# KiCad board 8x8.kicad_pcb (continued)
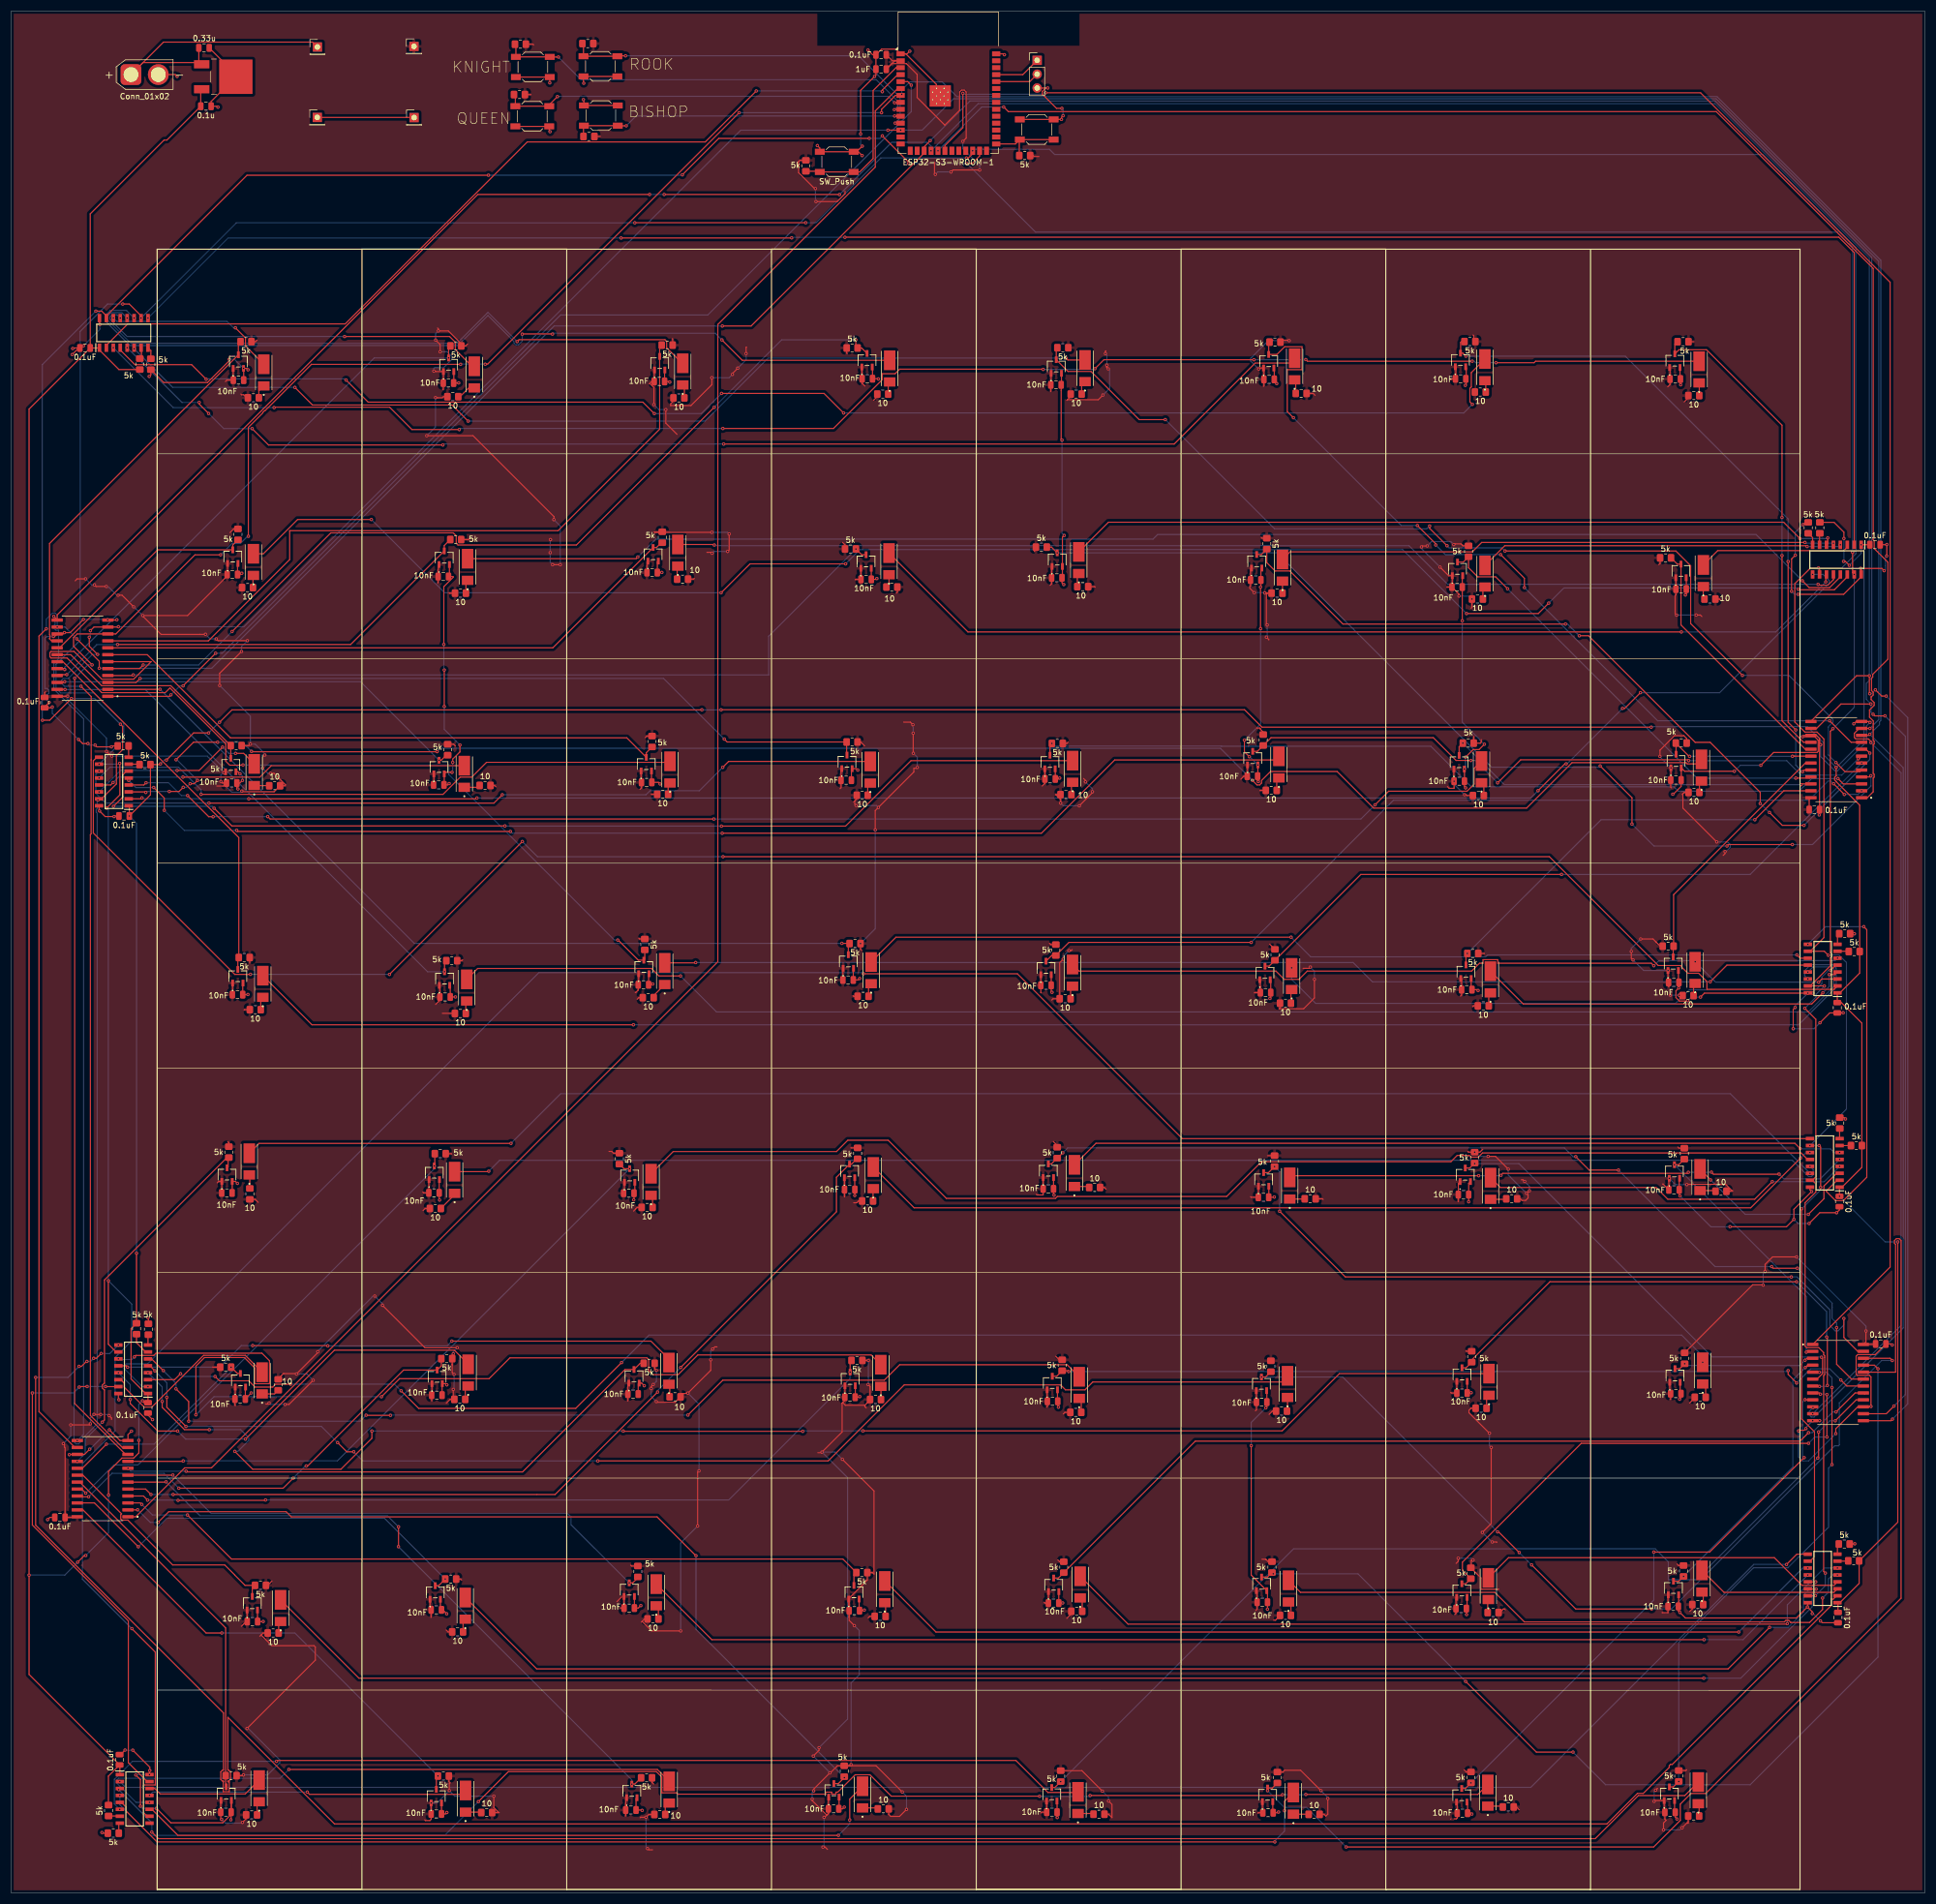
[diagram p0: board, top side]
## Routing (per net, layer and track width the routed paths; a pad name or vN(x,y) marks a point on that pad's centre or on a via; arc(x,y) is an arc through that point) (continued)
+5V: length 1071.7
  Top w0.2: v1(23.43,82.95) 23.43,80.64 22.48,79.7 20.32,79.7 17.88,77.25 v1(17.88,72.93) ; C5.2 19.95,23.43 19.95,21.7 ; C5.2 3.32,40.05 v1(3.32,58.25) 3.32,271.87 C3.2 ; C5.2 17.85,21.42 17.85,16.35 ; v1(338.82,247.01) 338.85,247.04 C4.2 ; v1(126.53,216.78) 40.47,216.78 v1(38.2,214.5) ; v1(36.2,212.55) 33.45,212.55 v1(28.47,207.58) ; C3.2 14.53,307.65 28.03,321.16 28.56,321.16 C61.1 34.76,330.3 U12.3 ; C3.2 16.16,283.08 U2.1 16.21,282.69 19.77,279.12 23.9,279.12 ; v1(12.22,60.62) 13.45,61.85 v1(13.7,61.85) ; U3.1 21.68,199.1 v1(21.68,197.33) 25.55,201.2 R5.1 27.26,206.75 v1(27.39,206.88) ; v1(335.66,248.18) 335.66,249.32 333.86,251.12 R1.1 ; v1(130.05,216.78) 130.05,216.8 225.89,216.8 229.09,213.6 v1(300.38,213.6) ; v1(345.52,119.3) 345.52,67.95 R13.1 338.45,56.74 334.91,53.2 U7.1 334.57,53.1 C6.2 ; v1(334.85,127.66) 334.85,129.31 U5.1 335.31,129.33 338.95,132.97 R9.1 338.95,159.38 335.17,163.15 C1.2 334.45,164.89 U4.1 334.92,164.93 338.55,168.56 R7.1 338.55,199.31 334.26,203.6 334.26,203.64 333.97,203.93 333.97,204.42 334.26,204.71 334.24,204.73 v1(334.24,206.23) ; v1(335.6,243.97) 335.93,243.97 v1(336.65,243.25) ; v1(24.09,90.19) 24.44,89.85 C7.2 U6.1 24.68,91.52 22,94.2 22,103.4 R11.1 v1(23,117.23)
  Bottom w0.2: v1(36.2,212.55) 38.15,214.5 v1(38.2,214.5) ; v1(17.88,72.93) 17.88,66.03 v1(13.7,61.85) ; v1(334.24,206.23) 332,208.47 332,210.65 328.95,213.7 300.48,213.7 v1(300.38,213.6) ; v1(345.52,119.3) 343.21,119.3 v1(334.85,127.66) ; v1(12.22,60.62) 9.85,58.25 v1(3.32,58.25) ; v1(335.6,243.97) 335.66,244.03 v1(335.66,248.18) ; v1(27.39,206.88) 28.08,207.58 v1(28.47,207.58) ; v1(21.68,197.33) 23,196.01 v1(23,117.23) ; v1(130.05,216.78) v1(126.53,216.78) ; 334.26,206.22 334.26,206.22 339.35,211.31 339.35,246.48 v1(338.82,247.01) 338.82,245.42 v1(336.65,243.25) ; v1(23.43,82.95) 23.43,89.53 v1(24.09,90.19)
+7.4V: length 54.2
  Top w0.2: C52.1 34.41,335.57 U12.1 34.62,335.36 24.19,335.36 J41.1 27.94,339.11 55.23,339.11 J42.1
GND: length 952.8
  Top w0.2: U2.16 16.21,287.49 v1(16.3,287.4) ; v1(79.83,93.11) 79.6,93.33 J54.2 78.95,93.28 C43.1 ; v1(13.28,233.35) 10.85,230.93 v1(9.8,230.93) 9.56,230.69 8.47,230.69 8,230.22 v1(7.78,230.22) ; SW5.1 SW5.1 v1(192.38,324.95) 192.38,325.32 v1(192.67,325.62) ; 266.17,205.63 C73.1 266.17,202.7 v1(266.4,202.48) ; 306,204.07 305.88,204.2 J32.2 306.5,205.53 v1(315.6,205.53) ; v1(191.83,89.03) 191.69,89.16 C12.1 191.65,90.14 J69.2 ; v1(117.53,166.55) 117.39,166.42 C74.1 116.78,168.35 J2.2 ; v1(79.83,14.76) 79.56,14.5 C69.1 J60.2 ; v1(192.8,239.74) 192.47,240.07 C56.1 192.55,241.04 J14.2 192.55,248.4 v1(192.88,248.73) ; v1(305.77,276.33) 305.73,276.38 C48.1 305.65,277.46 J28.2 ; J4.2 230.7,167.23 C78.1 230.7,164.05 v1(230.55,163.9) ; v1(98.68,331.65) SW1.1 92.47,332.7 ; v1(326.38,158.35) 326.38,161.9 v1(326.73,162.25) ; v1(337.48,214.23) 337.89,214.65 340.28,214.65 v1(340.45,214.48) ; 25.1,87.94 25.1,87.58 v1(25.93,86.75) ; v1(306.62,237.83) 306.8,238 C46.1 306.8,240.96 J27.2 ; J38.2 C19.1 267.34,91.62 v1(267.4,91.68) ; v1(41.58,202.28) 41.38,202.48 C32.1 41.92,203.38 v1(42.4,203.85) ; v1(154.53,127.8) 154.55,127.83 C37.1 154.53,128.92 J52.2 ; v1(82.22,210.33) 82.22,209.08 80.9,207.75 v1(80.9,207.15) ; U3.16 16.15,198.33 v1(16.23,198.26) 17.25,197.23 v1(18.9,197.23) 19,197.33 C2.1 ; J62.2 42.93,92.65 42.93,90.52 42.93,90.55 v1(44,91.62) ; v1(42.28,241.8) 42.04,241.57 C63.1 41.5,243.52 J25.2 ; v1(192.05,204.28) 191.9,204.12 C47.1 191.25,205.95 191.23,205.98 ; v1(268.67,165.35) 268.5,165.52 C41.1 267.4,165.67 J24.2 ; U14.1 164.11,336.96 v1(164.6,337.45) ; U14.1 162.06,337.82 159.43,337.82 C49.1 ; U14.1 163.88,336.96 169.47,331.36 U14.41 ; J13.2 157.55,240.69 C35.1 158.42,240.68 v1(158.57,240.83) ; R2.1 328.58,251.12 v1(328.15,250.7) ; J12.2 C44.1 190.5,165.18 v1(190.65,165.03) ; v1(40.28,13.43) 40.33,13.48 40.33,16.93 J66.2 40.38,14.46 38.79,12.87 29.29,12.87 v1(26.64,15.53) ; v1(79.35,224.08) v1(79.35,217.4) ; v1(266.33,276.23) 266.5,276.4 266.5,279.43 266.42,279.5 ; J46.2 155.33,51.82 C68.1 156.17,51.74 v1(156.28,51.85) ; v1(30.44,332.83) 30.1,333.16 J41.2 ; v1(155.44,167.56) 155.16,167.29 C28.1 154.25,169.38 J10.2 ; v1(155.45,90.95) 155.34,90.84 C26.1 154.63,90.87 154.63,92.95 ; J55.2 78.42,130.67 C53.1 78.42,127.05 v1(78.5,126.98) ; v1(118.88,203.2) 118.58,203.49 C66.1 117.3,203.56 J5.2 ; v1(304.33,201.33) 304.42,201.33 305.85,202.75 C58.1 ; v1(329.06,164.88) 310.13,164.88 v1(309.4,164.15) ; 191.9,55.23 191.88,55.21 C9.1 192.58,53.13 v1(192.6,53.15) ; v1(231.8,276.54) 231.35,276.99 231.35,279.88 231.33,279.9 ; v1(269.83,210.48) 268.85,209.5 267.77,209.5 v1(266.38,208.11) ; J31.2 305.35,166.94 C50.1 305.45,165.85 v1(305.42,165.83) 304.9,165.3 304.9,164.06 305.54,163.42 306.98,163.42 v1(307.06,163.5) ; v1(104.9,331.57) 104.85,331.62 SW3.1 SW3.1 ; J30.2 41.57,205.43 v1(41.95,205.05) ; C70.1 40.53,128.3 J63.2 41.12,130.38 v1(41.47,130.03) ; v1(147.67,320.15) 148.13,319.7 148.13,319.02 SW6.1 ; v1(328.98,52.43) 326.95,50.4 306.64,50.4 v1(305.63,51.42) 305.35,51.69 C23.1 305.4,52.57 J51.2 ; v1(328.98,52.43) 329.05,52.5 U7.16 ; v1(328.98,52.43) 329.88,51.53 v1(329.88,51.2) ; v1(22.33,26.18) 25.43,23.07 v1(25.43,22.45) 25.38,22.4 v1(25.38,21.7) ; J23.2 80.45,166.21 C77.1 v1(81.4,164.18) ; 266.62,16.68 266.75,16.55 C17.1 267.36,14.64 v1(267.52,14.48) ; v1(43.4,164.62) 43.38,164.6 C33.1 42.45,166.68 J29.2 ; R10.1 335.7,142.08 v1(335.95,141.83) ; v1(16.68,11.1) 16.8,10.98 R72.1 ; v1(331.21,86.56) 331.2,86.55 v1(329.95,86.55) ; C76.1 114.88,93.26 115.05,93.43 115.5,93.43 v1(115.97,92.95) ; U14.40 181.77,336.96 v1(181.92,336.8) ; v1(335.52,161.28) 335.5,161.25 C1.1 333.08,161.25 v1(331.27,159.45) ; v1(265.77,233.1) C40.1 265.77,241.28 J19.2 ; v1(7.58,217.3) 7.43,217.15 C25.1 6.17,217.3 v1(7,218.14) ; v1(337.65,64) 337.6,63.95 R14.1 ; v1(22.08,84.62) 21.44,83.99 U10.12 19.99,82.91 v1(18.02,84.87) ; v1(328.7,85.1) 328.4,84.8 327.48,84.8 v1(327.35,84.68) ; v1(191.6,13.85) 191.57,13.88 C10.1 191.57,16.83 J65.2 ; v1(98.72,322.7) 98.58,322.85 SW2.1 SW2.1 ; v1(79.8,51.18) 79.08,51.9 C57.1 78.65,52.1 J58.2 ; v1(23.71,15.93) 23.71,20.79 v1(22.88,21.63) ; C3.1 12.88,283.08 v1(13.28,283.48) ; C3.1 11.43,283.08 v1(11.33,282.98) ; C3.1 12.43,283.08 v1(11.22,281.88) ; v1(192.45,326.98) 191.48,326.98 188.87,329.58 188.87,330.07 189.5,330.7 v1(189.88,330.7) 189.87,330.69 J70.3 ; SW6.1 155.18,319.02 v1(155.88,318.32) ; SW6.1 154.87,319.02 v1(155.9,320.05) ; U5.16 329.45,128.82 v1(329.75,128.53) 326.5,125.28 v1(326.5,123.43) 325.15,122.08 v1(314.8,122.08) ; J59.2 229.99,92.02 C13.1 229.99,89.09 v1(229.8,88.9) ; v1(46.2,49.75) 46.2,49.75 C59.1 45.18,50.48 45.15,50.5 J67.2 ; v1(120.65,276.83) 120.53,276.95 C30.1 119.7,278.99 J7.2 ; v1(326.08,238.5) 326.08,244.43 v1(326.75,245.1) ; v1(231.35,127.53) 231.3,127.47 C55.1 230.35,127.5 J61.2 ; v1(305.58,90.48) 305.83,90.73 C18.1 305.68,91.65 J48.2 ; v1(228.35,206.68) 228.35,204.68 C51.1 228.3,203.75 v1(228.42,203.62) ; v1(10.7,80.32) 10.75,80.37 U10.15 13.47,80.37 v1(14.43,81.32) ; 331.2,211.55 331.2,210.6 v1(331.4,210.4) ; 331.2,211.55 C34.1 331.2,197.58 v1(331.15,197.53) ; 331.2,211.55 330.65,212.11 U11.15 328.36,212.11 v1(328.1,211.85) 330.32,211.85 330.95,211.22 330.95,209.18 330.73,208.96 322.79,208.96 v1(320.45,206.62) ; J39.2 114.25,128.37 C45.1 114.1,127.05 v1(114.05,127) ; v1(25.1,105.4) 25.18,105.33 R12.1 ; C52.2 41.19,333.19 U12.2 36.66,328.24 C61.2 37.75,327.36 v1(37.91,327.2) ; J37.2 C27.1 114.89,52.22 v1(115.35,52.68) ; v1(305.65,127.72) 305.55,127.83 305.5,127.83 C21.1 305.5,130.87 J49.2 ; v1(230.1,52) 230.11,52.01 C15.1 230.11,55.27 J56.2 227.13,58.25 v1(227.13,81.98) ; C16.1 334.85,125.18 v1(334.33,124.65) 331.25,124.65 v1(329.27,122.68) ; R8.1 337.55,175.78 v1(337.58,175.75) ; v1(115.6,15.15) 115.53,15.22 C31.1 114.48,17.3 J34.2 ; J68.2 190.93,131.09 C11.1 190.93,127.97 v1(191.03,127.88) ; v1(6.72,68.43) 7.12,68.82 C62.1 ; v1(266.95,126.65) C8.1 266.95,130.02 J36.2 ; v1(344.51,100.41) 344.31,100.61 C80.1 341.4,98.65 338.19,98.65 337.9,98.36 337.9,95.06 338.12,94.84 340.34,94.84 340.61,94.57 v1(340.61,89.16) 340.54,89.09 U13.15 338.2,89.09 334.17,85.06 v1(334.17,84.18) ; v1(79.28,228.75) 79.28,239.35 81.03,241.1 80.93,241.2 C64.1 80.3,241.37 J17.2 ; U6.16 19.68,90.48 v1(19.78,90.38) ; C49.1 C79.1 158.4,333.07 v1(158.15,332.82) 155.6,330.28 v1(155.6,322.3) ; C49.1 157.8,336.8 v1(156.95,337.65) ; v1(343.03,242.28) 342.61,242.69 v1(338.75,242.69) 338.82,242.61 U1.16 338.82,241.15 335.62,237.95 v1(327.27,237.95) ; R6.1 18.58,210.18 v1(18.4,210) 15.72,210 v1(15.4,210.33) ; v1(80.78,205.33) 79.63,205.33 J21.2 79.35,203.08 C67.1 80,203.03 v1(80.25,203.28) ; v1(228.85,231.65) 228.83,231.68 v1(228.83,239.27) 228.9,239.35 C60.1 228.9,242.58 J3.2 ; v1(152.6,15.75) 152.3,15.45 C36.1 151.65,15.5 J47.2 ; v1(331.36,49.86) 331.7,49.53 C6.1 ; v1(14.1,210.6) 13.12,210.6 v1(12.38,211.35) ; v1(266.57,51.02) 266.52,51.07 C20.1 266.65,52.25 J35.2 ; v1(329.98,164.88) 329.92,164.93 U4.16 ; C75.1 42.63,279.31 v1(42.6,279.33) 43.17,279.33 v1(43.43,279.08) ; J57.2 231.08,14.8 C14.1 232,14.72 v1(232.13,14.85) ; C29.1 153.91,205.86 J9.2 154.82,206 v1(155.08,205.75) ; 192.38,278.43 192.38,276.38 C38.1 192.33,266.35 v1(192.47,266.2) ; J43.1 73.8,325.31 J45.1 73.43,325.69 ; v1(104.83,328.57) 104.93,328.48 SW4.1 SW4.1 ; J18.2 81.1,276.68 C65.1 81.98,276.65 v1(82,276.68) ; U9.12 19.35,233.23 v1(19.4,233.28) ; v1(225.88,211.23) 225.88,209.09 v1(226.78,208.19) ; v1(20.9,26.2) 20.08,25.38 C5.1 ; J53.2 304.65,14.92 C22.1 304.77,13.9 v1(305.1,13.57) ; C4.1 343.5,247.04 v1(343.52,247.06) 343.52,245 v1(343.5,244.98) ; v1(39.98,281) 39.98,280.73 36,276.75 27.98,276.75 R4.1 25.62,278.18 v1(25.33,277.88) ; J15.2 157.78,279.54 C42.1 158.8,277.45 v1(158.85,277.4) ; v1(119.2,241.95) 119.17,241.93 C71.1 118.38,243.85 118.55,244.03
  Bottom w0.2: v1(192.47,266.2) 192.47,249.12 v1(192.88,248.73) ; v1(328.15,250.7) 326.75,249.3 v1(326.75,245.1) ; v1(192.67,325.62) 192.67,326.75 v1(192.45,326.98) ; v1(42.4,203.85) 42.4,204.6 v1(41.95,205.05) ; v1(13.28,233.35) 17.63,233.35 v1(17.7,233.28) ; v1(331.4,210.4) 331.4,208.23 334.01,205.62 334.51,205.62 339.8,210.91 339.8,213.82 v1(340.45,214.48) ; v1(343.03,242.28) 343.27,242.52 343.27,244.75 v1(343.5,244.98) ; v1(320.45,206.62) 316.7,206.62 v1(315.6,205.53) ; v1(22.33,26.18) 20.93,26.18 v1(20.9,26.2) ; v1(7,218.14) 6.22,218.91 6.22,219.5 6.6,219.5 6.95,219.85 6.95,220.35 6.6,220.7 6.22,220.7 6.22,229.88 6.54,230.2 7.76,230.2 v1(7.78,230.22) ; v1(12.38,211.35) 7.58,216.15 v1(7.58,217.3) ; v1(79.28,228.75) 79.28,224.15 v1(79.35,224.08) ; v1(25.38,21.7) 25.35,21.73 22.97,21.73 v1(22.88,21.63) ; v1(42.6,279.33) 40.93,281 v1(39.98,281) ; v1(15.4,210.33) 14.38,210.33 v1(14.1,210.6) ; v1(334.17,84.18) 329.17,79.17 328.13,79.17 327.35,79.95 v1(327.35,84.68) ; v1(328.7,85.1) 328.7,85.3 v1(329.95,86.55) ; v1(265.77,233.1) 265.77,214.53 v1(269.83,210.48) ; v1(326.73,162.25) 326.73,162.54 v1(329.06,164.88) ; v1(13.28,283.48) 16.3,286.5 v1(16.3,287.4) ; v1(228.35,206.68) 226.84,208.19 v1(226.78,208.19) ; v1(305.65,127.72) 311.3,122.08 v1(314.8,122.08) ; v1(229.8,88.9) 227.13,86.23 v1(227.13,81.98) ; v1(331.27,159.45) 330.17,158.35 v1(326.38,158.35) ; v1(155.9,320.05) 155.6,320.35 v1(155.6,322.3) ; v1(266.15,205.93) 266.38,206.15 v1(266.38,208.11) ; v1(80.78,205.33) 80.9,205.45 v1(80.9,207.15) ; v1(26.64,15.53) 24.11,15.53 v1(23.71,15.93) ; v1(18.02,84.87) 14.47,81.32 v1(14.43,81.32) ; v1(307.06,163.5) 307.71,164.15 v1(309.4,164.15) ; v1(327.27,237.95) 326.62,237.95 v1(326.08,238.5) ; v1(326.5,123.43) 327.25,122.68 v1(329.27,122.68) ; v1(225.88,211.23) 228.85,214.2 v1(228.85,231.65) ; v1(79.35,217.4) 79.35,213.21 v1(82.22,210.33) ; v1(329.88,51.2) 330.02,51.2 v1(331.36,49.86)
/A0: length 198.6
  Top w0.2: v1(29.3,219.53) 29.03,219.26 17.75,219.26 ; U14.5 164.22,331.88 v1(164.88,331.23) ; v1(31.53,221.18) v1(37.5,227.15)
  Bottom w0.2: v1(164.88,331.23) 164.88,326.38 127.62,289.12 100.65,289.12 38.68,227.15 v1(37.5,227.15) ; v1(29.3,219.53) 30.95,221.18 v1(31.53,221.18)
/A1: length 324.3
  Top w0.2: U14.6 162.39,330.61 158.29,326.5 158.29,316.21 129.45,287.38 129.45,170.62 36.73,77.91 31.82,77.91 22.86,68.94 U10.1
/A2: length 289.1
  Top w0.2: v1(181.8,327.23) 182.65,326.38 312.29,326.38 341.02,297.64 341.02,247.93 341.21,247.75 341.21,246.33 343.72,243.81 343.72,226.07 340.93,223.27 340.93,222.78 340.73,222.58 340.73,220.3 341.03,220 341.03,219.5 340.67,219.15 340.65,219.15 340.65,218.66 341.21,218.1 341.21,217.6 340.35,216.74 340.35,215.42 341.05,214.72 341.05,214.23 341.02,214.2 341.02,213.62 341.02,211.21 341.21,211.02 341.21,210.53 341.02,210.34 341.02,205.12 341.2,204.95 341.2,204.45 341.02,204.28 341.02,201.77 339.93,200.68 U11.1
  Bottom w0.2: v1(169.77,319.2) 177.79,327.23 v1(181.8,327.23)
/A3: length 396.7
  Top w0.2: U13.1 344.12,114.69 344.12,295.11 309.41,329.82 v1(189.47,329.82) ; U14.20 171.04,320.15 174.33,323.44 v1(174.33,329.73)
  Bottom w0.2: v1(189.47,329.82) 189.19,329.54 174.51,329.54 v1(174.33,329.73)
/Bishop_promote: length 60.8
  Top w0.2: U14.10 161.87,325.53 v1(161.83,325.57) ; R150.1 104.85,323.73 SW4.2 SW4.2 111.15,323.78 v1(112.68,323.78)
  Bottom w0.2: v1(112.68,323.78) 114.47,325.57 v1(161.83,325.57)
/EN: length 32.6
  Top w0.2: U14.3 162.08,334.42 157.89,330.23 157.89,317.78 155.42,315.32 SW6.2 148.13,315.32 148,315.45 R149.1
/HALL1: length 135.8
  Top w0.2: R79.1 118.8,283.23 J7.3 118.8,268.2 100.2,249.6 51.05,249.6 51.05,244.31 36.15,229.42 U9.9
/HALL2: length 109.5
  Top w0.2: 119.25,247.55 118.22,246.52 J1.3 99.23,228.15 U9.8
/HALL3: length 108.7
  Top w0.2: U9.7 24.98,226.88 40.2,211.65 112.78,211.65 J5.3 116.35,208.93 R77.1
/HALL4: length 168.1
  Top w0.2: v1(111.12,174.6) 111.2,174.6 114.88,170.92 115.9,170.92 116.08,171.09 R74.1 ; U9.6 25.68,225.61 22.47,222.4 16.64,222.4 11.56,227.48 7.36,227.48 7.14,227.26 7.14,226.49 7.36,226.27 10.29,226.27 16.64,219.92 28.25,219.92 29.11,220.79 39.35,210.56 39.35,207.36 40.08,206.64 42.46,206.64 v1(42.5,206.68)
  Bottom w0.2: v1(111.12,174.6) 110.52,174.6 80.18,204.94 80.18,206.64 80.14,206.68 v1(42.5,206.68)
/HALL5: length 168.3
  Top w0.2: v1(128.78,272.2) 103.55,246.97 81.86,246.97 81.55,247.29 81.55,248.66 81.01,249.2 58.58,249.2 v1(40.5,231.12) ; v1(24.22,225) 23.56,224.34 U9.5 ; J15.3 155.78,283.08 R87.1 154.72,283.4 v1(154.72,284.58)
  Bottom w0.2: v1(40.5,231.12) 34.38,225 v1(24.22,225) ; v1(154.72,284.58) 141.15,284.58 v1(128.78,272.2)
/HALL6: length 153
  Top w0.2: J13.3 155.79,245.2 v1(154.74,246.25) ; v1(22.4,223.18) 22.29,223.06 U9.4
  Bottom w0.2: v1(22.4,223.18) 138.77,223.18 138.77,230.28 v1(154.74,246.25)
/HALL7: length 142.8
  Top w0.2: v1(23.65,222.53) 22.92,221.8 U9.3 ; v1(130.63,211.43) 131.16,210.89 R82.1 153.03,208.56 J9.3
  Bottom w0.2: v1(23.65,222.53) 119.53,222.53 v1(130.63,211.43)
/HALL8: length 157.3
  Top w0.2: v1(152.17,174) 153.54,174 R83.1 153.35,173.74 J10.3 ; v1(27.3,220.55) 27.28,220.53 U9.2
  Bottom w0.2: v1(152.17,174) 73.85,174 v1(27.3,220.55)
/HALL9: length 94.5
  Top w0.2: v1(79.4,168.8) 79.4,170.5 R103.1 ; 8.47,220.53 9.88,220.53 v1(9.9,220.5)
  Bottom w0.2: v1(9.9,220.5) 24.6,220.5 76.3,168.8 v1(79.4,168.8)
/HALL10: length 78.1
  Top w0.2: 80.05,208.8 78.79,207.55 v1(78.4,207.55) ; 8.47,221.8 9.72,221.8 v1(9.85,221.93)
  Bottom w0.2: v1(78.4,207.55) 64.02,221.93 v1(9.85,221.93)
/HALL11: length 83
  Top w0.2: J17.3 79.35,246.88 R97.1 ; J17.3 62.2,228.75 v1(19.53,228.75) ; J17.3 79.28,245.96 ; v1(10.22,223.23) 8.64,223.23 8.47,223.06
  Bottom w0.2: v1(10.22,223.23) 15.75,228.75 v1(19.53,228.75)
/HALL12: length 98
  Top w0.2: 8.47,224.34 9.69,224.34 v1(9.85,224.18) ; v1(80.15,281.25) 80.15,283.13 R98.1
  Bottom w0.2: v1(9.85,224.18) 9.85,224.57 66.52,281.25 v1(80.15,281.25)
/HALL13: length 70.8
  Top w0.2: 8.47,225.61 9.5,225.61 41.72,193.38 R109.1 41.72,171.3 41.55,171.12 41.55,169.22
/HALL14: length 41
  Top w0.2: 8.47,226.88 10.96,226.88 16.64,221.19 29.28,221.19 R110.1 40.26,210.22 J30.3
/HALL15: length 41.8
  Top w0.2: R105.1 40.63,246.98 J25.3 26.87,246.09 8.92,228.15 8.47,228.15
/HALL16: length 70.5
  Top w0.2: R106.1 41.65,283.83 J26.3 7.08,247.25 7.08,230.52 7.15,230.45 7.15,229.95 7.08,229.88 7.08,229.79 7.45,229.42 8.47,229.42
/HALL17: length 116.3
  Top w0.2: v1(113.3,132.72) 112.26,132.72 R119.1 ; U10.9 31.47,79.1 v1(31.55,79.18)
  Bottom w0.2: v1(113.3,132.72) 59.76,79.18 v1(31.55,79.18)
/HALL18: length 103
  Top w0.2: R113.1 115.24,97.06 J33.3 112.45,95.93 93.69,77.16 32.21,77.16 v1(32.07,77.31)
  Bottom w0.2: v1(21.44,77.83) 21.96,77.31 v1(32.07,77.31)
/HALL19: length 103
  Top w0.2: v1(29.65,76.58) 29.63,76.56 U10.7 ; 114.97,57.94 113.87,56.84 v1(113.22,56.84)
  Bottom w0.2: v1(29.65,76.58) 36.68,69.55 101.93,69.55 102.55,68.93 102.55,67.51 v1(113.22,56.84)
/HALL20: length 120
  Top w0.2: v1(70.96,63.46) 70.97,63.48 v1(70.97,67.1) ; U10.6 28.36,75.29 v1(28.41,75.34) ; v1(113.7,19.97) 114.24,19.97 R114.1
  Bottom w0.2: v1(113.7,19.97) 113.7,20.72 v1(70.96,63.46) ; v1(70.97,67.1) 68.93,69.15 34.6,69.15 v1(28.41,75.34)
/HALL21: length 163.7
  Top w0.2: 155.22,134.85 153.92,133.55 J52.3 151.17,131.15 151.17,124.82 v1(122.65,96.3) ; v1(25.65,73.03) 24.66,74.02 U10.5 ; v1(29.7,73.03) 99.65,73.03 v1(118.43,91.8)
  Bottom w0.2: v1(118.43,91.8) 118.43,92.07 v1(122.65,96.3) ; v1(25.65,73.03) v1(29.7,73.03)
/HALL22: length 145.6
  Top w0.2: v1(30.6,71.95) 46.55,71.95 v1(46.62,72.03) ; U10.4 24.28,72.75 v1(25.03,72) ; 153.92,95.69 v1(153.67,95.44) 153.67,97.34 R121.1
  Bottom w0.2: v1(25.03,72) 30.55,72 v1(30.6,71.95) ; v1(153.67,95.44) 153.67,94.27 131.42,72.03 v1(46.62,72.03)
/HALL23: length 141.2
  Top w0.2: U10.3 23.69,71.48 v1(23.97,71.2) ; v1(32.33,69.28) 40.4,61.2 152.34,61.2 R122.1 154.37,58.27 J46.3
  Bottom w0.2: v1(32.33,69.28) 25.9,69.28 v1(23.97,71.2)
/HALL24: length 163.4
  Top w0.2: v1(125.45,61.8) 118.33,68.92 51.35,68.92 50.4,69.88 28.9,69.88 v1(26.94,67.91) ; U10.2 23.19,70.21 v1(23.2,70.23) ; v1(152.61,21.16) 151.52,20.07 150.7,20.07
  Bottom w0.2: v1(152.61,21.16) 125.45,48.32 v1(125.45,61.8) ; v1(26.94,67.91) 25.51,67.91 v1(23.2,70.23)
/HALL25: length 88.8
  Top w0.2: v1(38.62,47.65) 35.75,47.65 13.19,70.21 U10.23 ; J60.3 77.9,21.15 v1(78.2,21.45)
  Bottom w0.2: v1(78.2,21.45) 52,47.65 v1(38.62,47.65)
/HALL26: length 79.8
  Top w0.2: v1(79.53,57.53) 78.32,56.32 J58.3 ; v1(23.33,63.45) 15.3,71.48 U10.22
  Bottom w0.2: v1(79.53,57.53) 68.39,68.68 28.55,68.68 v1(23.33,63.45)
/HALL27: length 80.2
  Top w0.2: R129.1 78.81,96.59 J54.3 71.9,95.82 54.33,78.25 v1(54.08,78.25) ; U10.21 12.31,72.6 v1(14.22,72.6) ; v1(51.7,76.03) 49.85,74.18 v1(30.75,74.18)
  Bottom w0.2: v1(14.22,72.6) 18.53,76.9 28.02,76.9 v1(30.75,74.18) ; v1(54.08,78.25) 53.93,78.25 v1(51.7,76.03)
/HALL28: length 93.1
  Top w0.2: R130.1 77.62,133.32 v1(77.52,133.22) ; U10.20 12.96,74.02 v1(13.7,73.28)
  Bottom w0.2: v1(13.7,73.28) 18.86,78.43 23.26,78.43 77.52,132.7 v1(77.52,133.22)
/HALL29: length 67.4
  Top w0.2: U10.19 12.6,75.29 39.33,48.57 R143.1 39.33,19.57 J66.3
/HALL30: length 43.2
  Top w0.2: J67.3 44.2,55.88 ; R144.1 42.86,56.38 41,58.24 41,58.27 39.15,60.12 29.63,60.12 21.41,68.34 20.32,68.34 20.11,68.56 20.11,69.32 20.27,69.48 13.19,76.56 U10.18
/HALL31: length 38
  Top w0.2: v1(40.33,96.35) 41.47,95.2 J62.3 ; U10.17 13.08,77.83 v1(17.5,82.25)
  Bottom w0.2: v1(40.33,96.35) 26.23,82.25 v1(17.5,82.25)
/HALL32: length 69.9
  Top w0.2: v1(16.72,86.28) 17.12,86.68 17.12,92.2 17.08,92.2 16.72,92.55 16.72,93.05 17.08,93.4 17.12,93.4 17.12,112.33 39.78,134.98 39.78,133.08 J63.3
  Bottom w0.2: v1(16.72,86.28) 13.6,83.15 13.6,80.54 v1(12.16,79.1)
/HALL33: length 156
  Top w0.2: 230.38,283.79 231.1,284.52 ; v1(272.8,245.23) 277.15,240.88 v1(277.15,239.18) ; U11.9 336.99,210.84 v1(333.05,214.78) ; v1(260.92,246.98) 260.92,247.18 v1(257.55,250.55) ; v1(234.85,270.3) 233.72,271.43 233.72,279.1 236.43,279.1 236.43,283.3 233.25,283.3 231.84,281.89 J8.3 230.33,284 R80.1
  Bottom w0.2: v1(257.55,250.55) 254.6,250.55 v1(234.85,270.3) ; v1(272.8,245.23) 262.67,245.23 v1(260.92,246.98) ; v1(277.15,239.18) 301.55,214.78 v1(333.05,214.78)
/HALL34: length 144.3
  Top w0.2: J3.3 228.99,245.24 R75.1 229.97,243.75 231.5,242.22 234.2,242.22 243.92,232.5 v1(284.67,232.5) ; v1(287.2,230.35) 288.9,230.35 308.42,210.83 311.17,210.83 320.34,201.66 v1(320.34,199.62) ; v1(322.02,197.98) 324.38,195.62 v1(328.35,195.62) ; v1(340.4,208.85) 339.69,209.56 338.9,209.56
  Bottom w0.2: v1(320.34,199.62) 320.38,199.62 v1(322.02,197.98) ; v1(284.67,232.5) 285.05,232.5 v1(287.2,230.35) ; v1(328.35,195.62) 340.4,207.68 v1(340.4,208.85)
/HALL35: length 120.5
  Top w0.2: U11.7 338.23,207.63 ; J6.3 228.25,209.18 R78.1 230.75,211.68 260.48,211.68 264.64,207.51 267.38,207.51 267.36,207.51 v1(267.35,207.5) ; v1(272.25,203.4) 276.48,207.63 307.07,207.63 v1(307.23,207.48)
  Bottom w0.2: v1(307.23,207.48) 325.18,207.48 327.83,204.82 335.29,204.82 v1(338.29,207.83) ; v1(272.25,203.4) 268.15,207.5 v1(267.35,207.5)
/HALL36: length 124.7
  Top w0.2: v1(283.95,186.62) 247.2,186.62 R76.1 230.4,169.83 J4.3
  Bottom w0.2: v1(338.9,207.03) 318.5,186.62 v1(283.95,186.62)
/HALL37: length 193
  Top w0.2: v1(273.6,245.88) 304.89,245.88 307.6,243.16 307.6,232.57 v1(317.08,223.1) ; v1(334.2,207.12) 335.87,205.46 338.6,205.46 U11.5 ; v1(262.98,246.85) 259.8,250.03 v1(259.8,250.45) ; R88.1 191.42,282.93 J16.3 193.58,278.77 197.78,278.77 206.6,269.95 v1(211.4,269.95)
  Bottom w0.2: v1(211.4,269.95) 231.4,249.95 259.3,249.95 v1(259.8,250.45) ; v1(334.2,207.12) 332.8,208.52 332.8,213.68 333.65,214.53 333.65,215.02 325.57,223.1 v1(317.08,223.1) ; v1(262.98,246.85) 263.38,246.45 273.02,246.45 v1(273.6,245.88)
/HALL38: length 184.8
  Top w0.2: v1(191.6,245.54) 190.55,246.59 R84.1 ; v1(296.85,195.85) 296.85,200.68 v1(291.02,206.5) ; U11.4 340.38,204.49 v1(340.6,204.7) ; v1(326.23,192.1) 314.51,192.1 v1(314.24,191.83)
  Bottom w0.2: v1(291.02,206.5) 290.8,206.27 271.13,206.27 231.86,245.54 v1(191.6,245.54) ; v1(340.6,204.7) 340.6,202.8 329.9,192.1 v1(326.23,192.1) ; v1(314.24,191.83) 300.87,191.83 v1(296.85,195.85)
/HALL39: length 155.1
  Top w0.2: v1(334.58,204.18) 335.53,203.22 U11.3 ; J11.3 190.28,210.28
  Bottom w0.2: v1(334.58,204.18) 329.75,204.18 327.45,201.87 305.33,201.87 304.53,202.67 267.44,202.67 260.02,210.1 221.68,210.1 221.65,210.13 191.12,210.13 v1(190.63,210.62)
/HALL40: length 164.3
  Top w0.2: v1(333.77,203.24) v1(335.73,201.28) ; J12.3 190.59,171.78 R86.1 193.75,174.18 v1(227.13,174.18)
  Bottom w0.2: v1(338.9,201.95) 338.24,201.28 v1(335.73,201.28) ; v1(227.13,174.18) 253.17,200.22 329.25,200.22 332.75,203.73 333.29,203.73 v1(333.77,203.24)
/HALL41: length 77.5
  Top w0.2: J24.3 266.45,171.9 v1(266.7,172.15) ; v1(319.35,196.65) 324.64,201.95 U11.23
  Bottom w0.2: v1(319.35,196.65) 291.2,196.65 v1(266.7,172.15)
/HALL42: length 69.5
  Top w0.2: v1(327.8,203.08) 327.94,203.22 U11.22 ; J22.3 265.2,210 v1(265.88,210.68)
  Bottom w0.2: v1(265.88,210.68) 273.48,203.08 v1(327.8,203.08)
/HALL43: length 83.2
  Top w0.2: v1(274.08,238.95) 271.88,241.14 268.6,241.14 266.92,242.82 R99.1 265.95,243.85 J19.3 ; v1(326.85,204.28) 329.41,204.28 U11.21
  Bottom w0.2: v1(326.85,204.28) 308.75,204.28 v1(274.08,238.95)
/HALL44: length 124
  Top w0.2: 265.47,281.99 265.47,284.1 265.62,284.25 ; v1(325.45,243.95) 325.45,214.5 v1(326.85,213.1) ; v1(266.45,281.58) 265.9,282.12 J20.3 ; v1(328.08,205.43) 328.4,205.76 U11.20
  Bottom w0.2: v1(328.08,205.43) 326.85,206.65 v1(326.85,213.1) ; v1(325.45,243.95) 325.45,251.75 295.62,281.58 v1(266.45,281.58)
/HALL45: length 46.6
  Top w0.2: 329.62,207.03 328.59,207.03 304.48,182.91 R111.1 304.4,173.4 J31.3
/HALL46: length 27.8
  Top w0.2: U11.18 326.62,208.3 326.6,208.28 v1(326.25,208.28) ; v1(307.4,208.26) 307.36,208.3 307.28,208.3 R112.1 304.92,210.65 J32.3
  Bottom w0.2: v1(326.25,208.28) 307.42,208.28 v1(307.4,208.26)
/HALL47: length 46.7
  Top w0.2: R107.1 305.15,243.48 J27.3 305.83,232.33 328.59,209.56 329.62,209.56
/HALL48: length 89.2
  Top w0.2: v1(324.33,252.03) 324.33,268.93 310.5,282.75 305.46,282.75 J28.3 304.7,283.73 R108.1 ; v1(324.33,245.05) 324.33,214.78 328.26,210.84 U11.16
  Bottom w0.2: v1(324.33,252.03) v1(324.33,245.05)
/HALL49: length 105.3
  Top w0.2: v1(267.36,20.19) 266.34,19.17 265.67,19.17 ; v1(328.52,90.4) 328.57,90.36 U13.9 ; v1(328.38,79.78) 311.08,62.48 v1(300.85,62.48)
  Bottom w0.2: v1(328.52,90.4) 328.1,89.98 328.1,80.05 v1(328.38,79.78) ; v1(300.85,62.48) 300.85,53.68 v1(267.36,20.19)
/HALL50: length 92.4
  Top w0.2: U13.8 331.12,91.63 v1(331.35,91.4) ; v1(332.55,91.32) v1(332.55,83.55) ; v1(329.17,82.4) 287.58,82.4 265.8,60.62 265.8,59.14 R115.1 266.41,56.67 J35.3
  Bottom w0.2: v1(332.55,91.32) 332.48,91.4 v1(331.35,91.4) ; v1(332.55,83.55) 330.33,83.55 v1(329.17,82.4)
/HALL51: length 92.2
  Top w0.2: v1(327,112) 281.82,112 267.5,97.68 R118.1 266.48,96.24 J38.3 ; v1(332.5,101.88) 332.62,101.75 v1(332.62,93) ; v1(331.2,92.82) 331.12,92.9 U13.7